# KiCad board sss-opr3-v1 (1).kicad_pcb (continued)
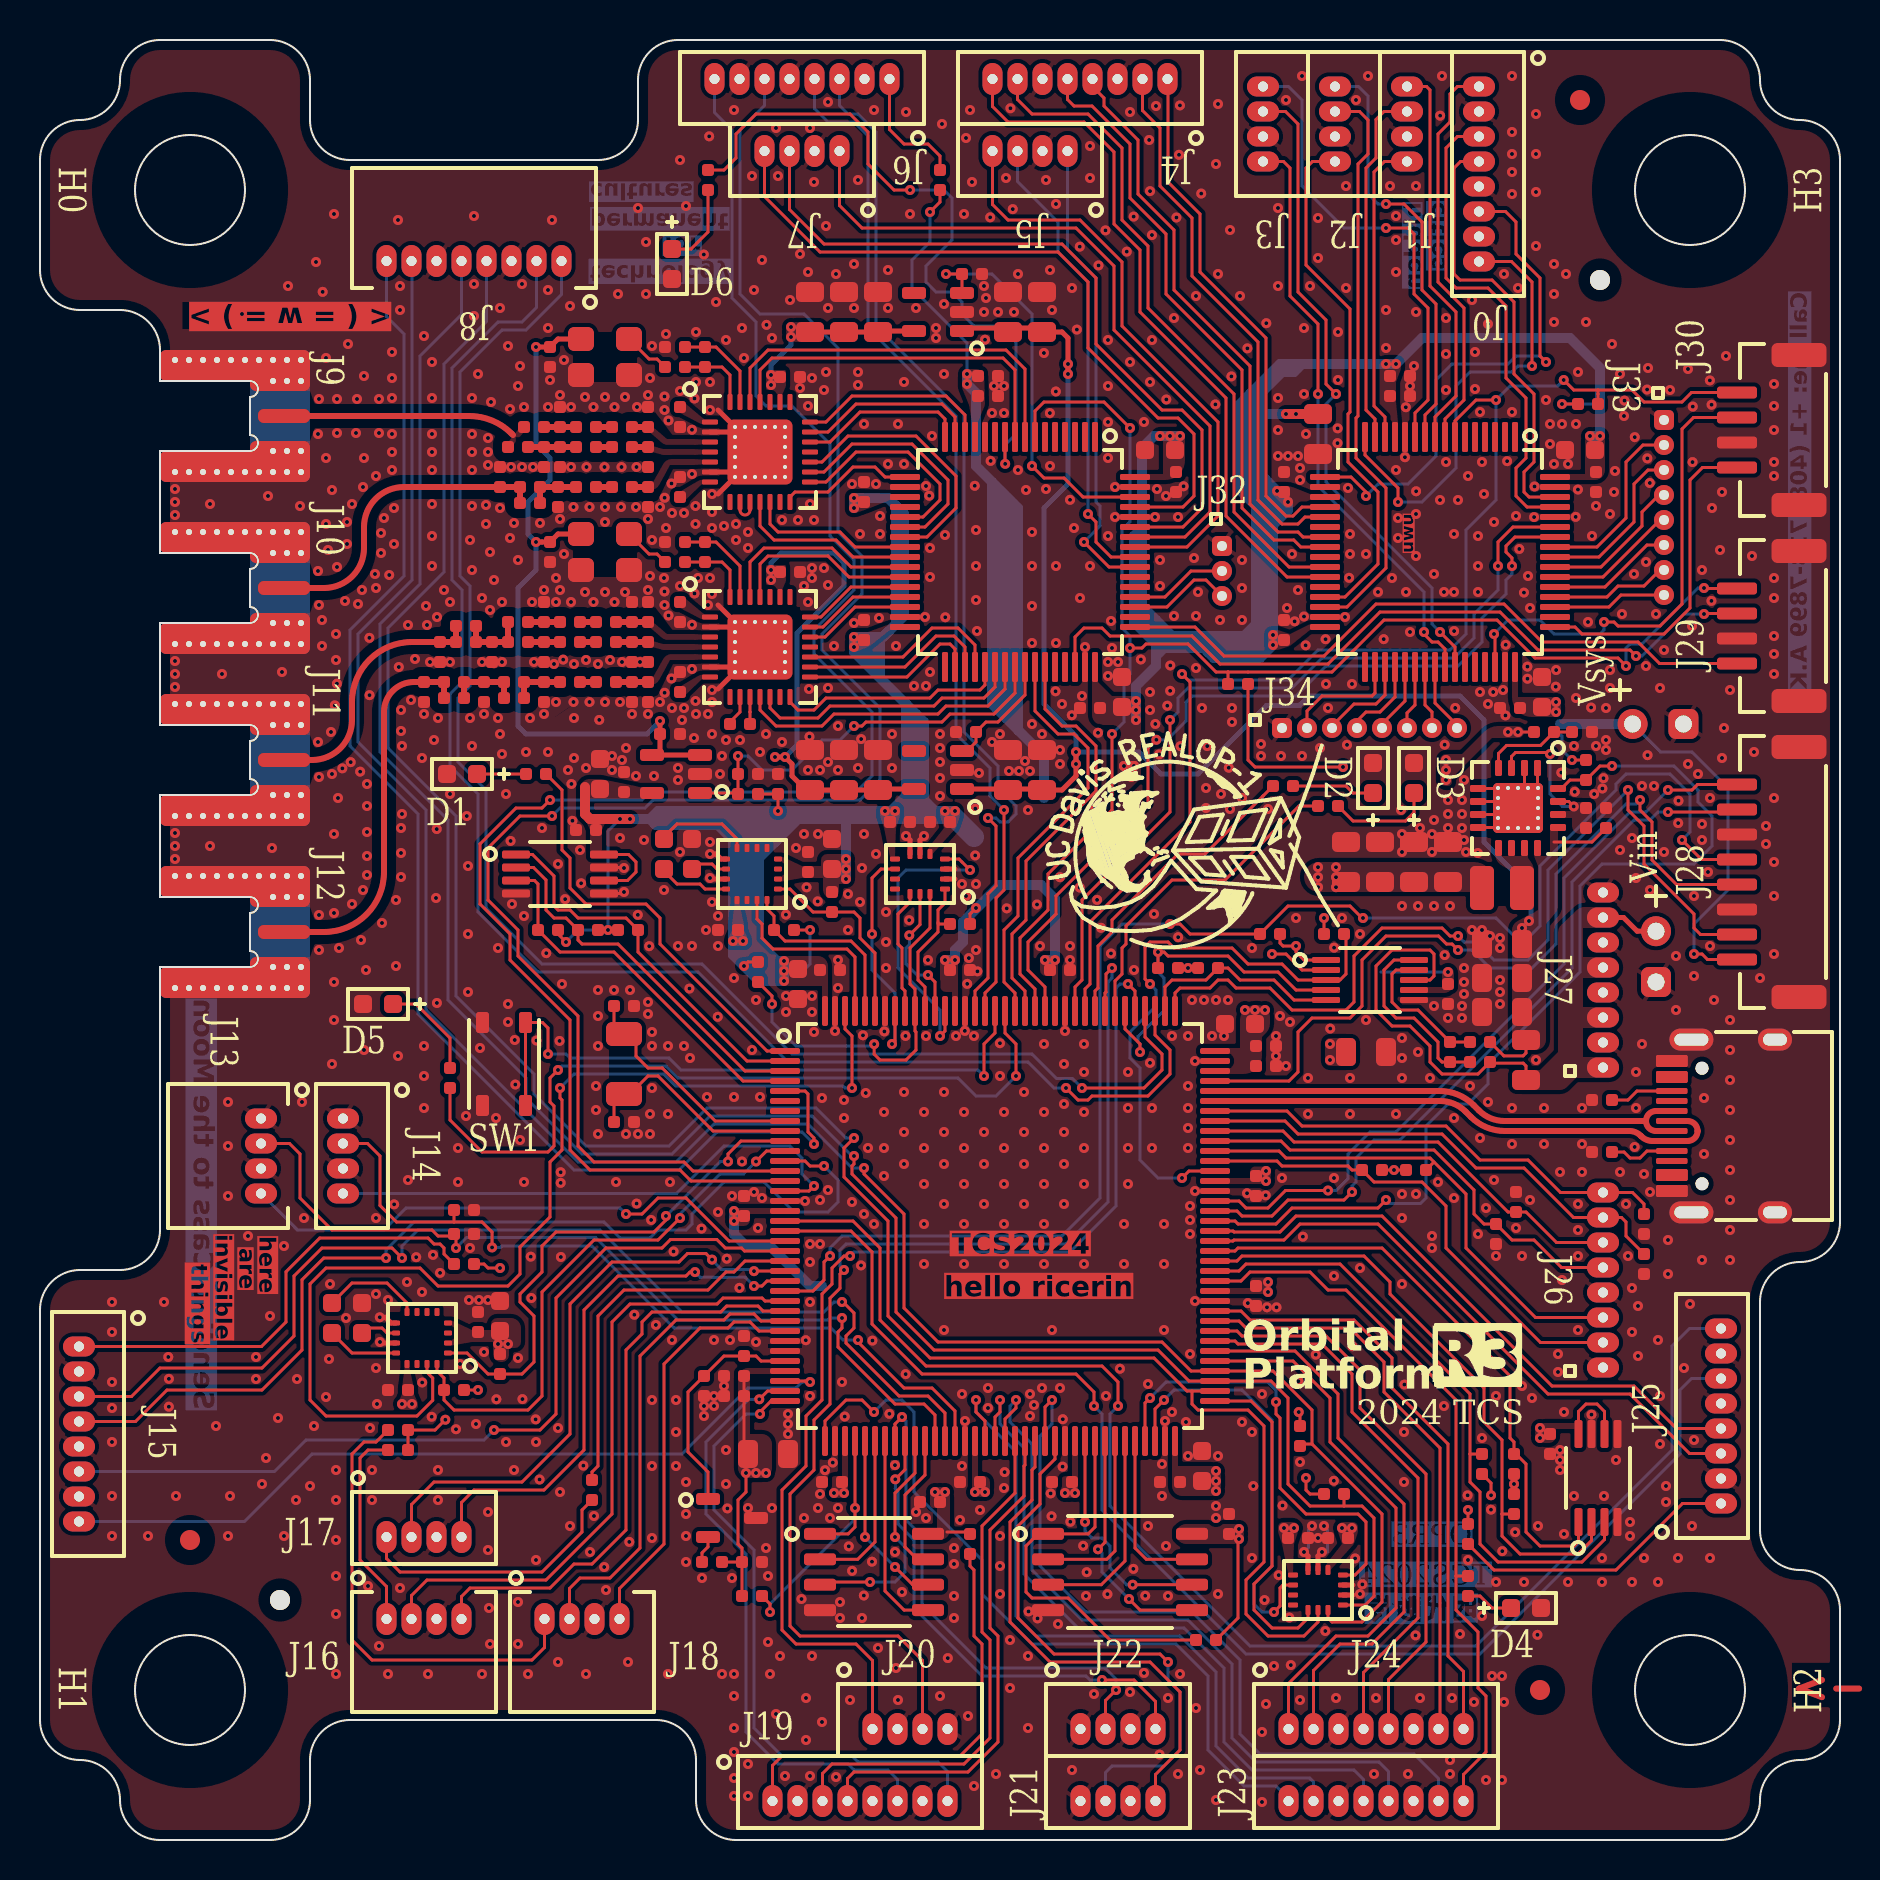
[diagram p0: board, top side]
## Routing (per net, layer and track width the routed paths; a pad name or vN(x,y) marks a point on that pad's centre or on a via; arc(x,y) is an arc through that point) (continued)
  Bottom w1: 36.6,50.1 37.6,51.1 ; 36.6,50.1 34.9,50.1 ; 36.6,50.1 35.7,49.2 35.7,44.9 ; 34.9,50.1 34.9,44.9 ; 34.9,50.1 34,51 ; 61.4,66.6 61.4,65 ; 30.9,51 34,51 ; 34,51 36.7,51 ; 60.5,71.7 60.5,68 61.8,66.7 ; 43.7,55.75 43.7,52.05 ; 48.3,66.65 48.3,56.9 ; 45.66,51.19 46.7,50.15 ; 35.36,44.34 36.4,43.3
  vias: v1(18.1,21.8) v1(18.6,21.8) v1(22.9,24.8) v1(23.4,24.8) v1(34.7,30.95) v1(35.15,44.95) v1(35.8,18.35) v1(36.3,18.35) v1(39.7,17.35) v1(40.2,17.35) v1(40.3,49.05) v1(40.3,48.55) v1(40.7,59.65) v1(42.75,51.45) v1(44.75,17.4) v1(45.25,51.45) v1(45.25,17.4) v1(46.75,17.4) v1(47.25,17.4) v1(51.25,17.35) v1(51.75,17.35) v1(56.5,70.2) v1(57.4,43.6) v1(58.8,18.45) v1(58.8,17.95) v1(58.8,17.45) v1(59.95,15.55) v1(60.25,41.5) v1(60.75,41.5) v1(61.25,41.5) v1(61.3,33.45) v1(61.3,32.95) v1(61.4,27.9) v1(61.4,27.4) v1(61.65,60.25) v1(62.2,15.6) v1(62.7,15.6) v1(63.9,48.64) v1(63.9,48.14) v1(63.9,47.64) v1(64.5,39.8) v1(64.5,39) v1(64.8,48.64) v1(64.8,48.14) v1(64.8,47.64) v1(65.1,15.6) v1(65.6,15.6) v1(67.3,73.8) v1(67.7,33.5) v1(70.3,54) v1(70.3,53.5) v1(70.3,53) v1(73.4,55.4) v1(73.7,17.8) v1(75,20.6) v1(75,20.1) v1(75.8,56.9) v1(75.8,56.4)
/v3v3rad0: length 8.5
  Top w0.25: C37.1 C39.1 41.95,75.45 U6.5
  Bottom w0.25: v1(36.55,72.75) v1(36.55,73.25) 36.55,73.75 37.55,74.75 v1(37.55,75.15) v1(37.55,75.65)
/v3v3rad1: length 24.3
  Top w0.25: U17.5 41.95,52.55 C110.1 C108.1 38.3,52.5 37.6,53.2 37.6,53.8 v1(37.25,54.15) v1(36.75,54.15)
  Bottom w0.25: v1(36.55,63) v1(36.55,63.5) 36.55,63.85 37.05,64.35 39.7,64.35 40.2,63.85 40.2,62.7 37.85,60.35 37.85,54.75 v1(37.25,54.15) v1(36.75,54.15)
/vbat: length 76
  Top w0.15: R15.1 73.2,39.2 74.15,39.2 74.3,39.35 R14.2 ; R6.2 77.6,49.9 75.7,49.9
  Top w0.25: U6.1 46.25,75.6 49.9,75.6 C41.1 51.1,75.4 51.4,75.1 v1(51.4,73.3) ; v1(51.8,54.4) 51.8,53.2 51.1,52.5 C107.1 50.05,52.55 U17.1
  Bottom w0.25: v1(51.8,54.4) 54.95,54.4 56.05,53.3 57.9,53.3 61.33,56.73 62.98,56.73 63.45,57.2 71,57.2 72.2,56 72.2,49.9 74.55,47.55 74.55,46.05 v1(74.1,45.6) ; v1(51.8,53.8) 51.8,55.2 50.2,56.8 50.2,66.6 51.4,67.8 v1(51.4,73.8)
  vias: v1(74.45,45.95)
/vbat-con: length 21
  Top w0.15: U12.8 69.5,43 69.7,43.2 69.7,44.3 69.5,44.5 67.6,44.5 66.8,43.7 66.8,41.5 67.6,40.7 68.5,40.7 69.5,39.7 69.5,38.9 70.1,38.3 71.9,38.3 R28.1 72.56,38.84 74.16,38.84 74.3,38.7 R14.1
  Top w0.25: J37.2 79.86,45.44 79.17,46.12 J27.7
GND: length 29.7
  Top w0.15: U1.1 74.88,52.62 U1.0 ; 29.1,47.3 29.07,47.33 U19.5 ; U1.2 74.22,52.78 U1.0 ; U1.5 72.67,52.58 ; 29.1,48.6 29.07,48.62 U19.7 ; U1.7 72.67,51.28 72.7,51.3 ; U1.8 72.67,50.62 ; 71.9,51.92 72.67,51.92
  Top w0.25: v1(43.3,50.2) 43.5,50 U5.7 ; U8.9 17.55,25.85 17.26,26.14 v1(16.99,26.14) ; v1(63.2,14.4) 63.4,14.2 U3.7 ; U15.0 33.9,57.55 ; U5.2 45.75,48.05 ; v1(44.2,50.2) 44,50 U5.6 ; U3.2 65.65,12.25 ; U8.11 17.05,24.85 ; U15.0 33.9,61.75 ; U3.3 65.65,12.75 ; U10.0 33.9,67.3 ; U4.9 34.05,49.05 33.8,49.3 v1(33.5,49.3) ; v1(33.5,48.1) 33.55,48.05 U4.11 ; U3.6 63.9,14.2 v1(64.1,14.4) ; U15.2 34.45,60.65 ; U15.6 34.45,58.65 ; U10.0 33.9,71.5 ; U10.2 34.45,70.4 ; U10.6 34.45,68.4 ; U5.3 45.75,48.55
  Bottom w0.15: v1(63.6,15.7) 63.47,15.7 63.43,15.66 63.43,14.63 v1(63.2,14.4) ; v1(64.2,15.7) 64.31,15.7 64.37,15.64 64.37,14.4 v1(64.1,14.4) ; v1(60.39,26.84) 60.76,26.84 60.97,26.63 v1(61.83,26.63)
  vias: v1(3.6,26.9) v1(3.6,25.4) v1(3.6,22.9) v1(3.6,21.6) v1(3.6,19.9) v1(3.6,17.2) v1(3.6,15.2) v1(5.4,15.2) v1(6.2,26.9) v1(6.41,24.15) v1(6.45,23.06) v1(6.44,21.66) v1(6.75,67.55) v1(6.75,66.9) v1(6.75,66.25) v1(6.75,58.95) v1(6.75,58.3) v1(6.75,57.65) v1(6.75,50.35) v1(6.75,49.7) v1(6.75,49.05) v1(6.8,17.2) v1(8.5,66.8) v1(8.5,49.7) v1(8.8,20.7) v1(9.1,58.3) v1(9.4,36.9) v1(9.4,34.7) v1(9.4,32.2) v1(9.4,15.2) v1(9.5,17.2) v1(10.1,76.3) v1(10.4,30.2) v1(10.8,24.15) v1(10.8,23.05) v1(11.1,17.8) v1(11.3,19.1) v1(11.4,67.2) v1(11.5,26.2) v1(11.6,49.6) v1(11.9,21.1) v1(12.1,58.4) v1(12.2,29.7) v1(12.2,15.2) v1(12.4,77.7) v1(12.85,23.05) v1(12.8,17) v1(13,66.7) v1(13.1,36.9) v1(13.2,31.1) v1(13.5,17.7) v1(13.7,20.7) v1(13.8,78.9) v1(13.95,72.05) v1(13.9,70.3) v1(13.9,63.45) v1(13.95,61.75) v1(13.9,54.9) v1(13.95,53.15) v1(13.95,46.25) v1(13.95,44.5) v1(14.13,77.41) v1(14.1,61) v1(14.1,59.7) v1(14.3,74.1) v1(14.3,69.1) v1(14.3,65.8) v1(14.3,22.15) v1(14.4,64.5) v1(14.45,24.05) v1(14.55,55.4) v1(14.5,27.8) v1(14.6,67.5) v1(14.6,53.3) v1(14.6,38.8) v1(14.7,81.3) v1(14.74,56.73) v1(14.7,50.3) v1(14.7,46.35) v1(14.7,42.9) v1(14.7,41) v1(14.85,72.05) v1(14.85,70.35) v1(14.85,63.65) v1(14.8,60.3) v1(14.8,59) v1(14.85,57.82) v1(14.8,18.5) v1(14.8,17) v1(14.8,15) v1(14.8,13.2) v1(14.8,11.3) v1(14.8,8.3) v1(14.9,52.1) v1(14.95,44.6) v1(15.12,53.58) v1(15.35,65.9) v1(15.35,64.8) v1(15.25,61.95) v1(15.3,26.1) v1(15.4,74.8) v1(15.54,53.89) v1(15.6,66.8) v1(15.6,46.8) v1(15.85,72.05) v1(15.8,70.35) v1(15.9,61.8) v1(16.01,53.42) v1(16.1,62.5) v1(16.05,45) v1(16.2,73.2) v1(16.2,69.1) v1(16.15,67.65) v1(16.15,47.5) v1(16.2,39.5) v1(16.35,52.8) v1(16.35,51.7) v1(16.35,50.4) v1(16.35,49.2) v1(16.35,48.25) v1(16.3,43.5) v1(16.4,12.7) v1(16.47,60.11) v1(16.48,57.24) v1(16.5,20.6) v1(16.6,18.5) v1(16.6,17) v1(16.8,68.2) v1(16.75,63.3) v1(16.8,62.6) v1(16.8,31.1) v1(16.8,27.3) v1(16.8,23.6) v1(16.85,21.8) v1(16.95,72.05) v1(16.95,70.35) v1(16.95,9.7) v1(17,24.9) v1(17.05,65.35) v1(17.05,64.35) v1(17.1,45.85) v1(17.2,66.1) v1(17.4,27) v1(17.4,8.3) v1(17.46,63.25) v1(17.6,74.4) v1(17.6,73.1) v1(17.6,72.1) v1(17.6,70.3) v1(17.6,69.4) v1(17.6,68.5) v1(17.7,66.6) v1(17.7,64.8) v1(17.71,31.78) v1(17.8,47) v1(17.8,43.7) v1(17.9,81) v1(17.94,58.65) v1(17.9,39.2) v1(18,77.7) v1(18,76.5) v1(18,12.6) v1(18.05,56.5) v1(18.05,55.45) v1(18.1,54.7) v1(18.1,51.3) v1(18.05,50.6) v1(18.05,49.35) v1(18.05,48.15) v1(18.35,27.9) v1(18.4,60.75) v1(18.4,33) v1(18.55,57) v1(18.75,59.05) v1(18.81,29.14) v1(19.1,54.1) v1(19.1,27.4) v1(19.11,22.88) v1(19.2,75.2) v1(19.2,56.3) v1(19.2,39.7) v1(19.2,38.2) v1(19.2,36.6) v1(19.3,61.7) v1(19.35,60.75) v1(19.4,8.3) v1(19.5,58.9) v1(19.6,73.9) v1(19.6,72.1) v1(19.6,70.3) v1(19.6,69.4) v1(19.6,68.5) v1(19.6,66.8) v1(19.6,65.2) v1(19.6,63.7) v1(19.58,21.16) v1(19.7,55) v1(19.65,29.25) v1(19.85,61.15) v1(19.84,50.55) v1(19.8,47.1) v1(19.84,41.85) v1(19.9,56.1) v1(19.9,18.5) v1(19.9,17) v1(20,28.36) v1(20.2,62.5) v1(20.5,61.9) v1(20.5,58.9) v1(20.5,52.3) v1(20.8,20.54) v1(20.9,34.6) v1(20.9,32.9) v1(21,23.8) v1(21.34,51.2) v1(21.3,36.2) v1(21.4,48.7) v1(21.4,45.3) v1(21.4,42.4) v1(21.45,27) v1(21.5,65) v1(21.5,56.1) v1(21.5,29.6) v1(21.6,72.1) v1(21.6,70.3) v1(21.6,69.4) v1(21.6,68.5) v1(21.6,66.7) v1(21.6,63.5) v1(21.6,54.7) v1(21.7,81.2) v1(21.7,77.8) v1(21.7,76.2) v1(21.8,20.8) v1(21.9,73.3) v1(21.95,27) v1(22,39.6) v1(22.1,62.1) v1(22.1,58.9) v1(22.1,8.3) v1(22.2,56.3) v1(22.2,24.4) v1(22.3,66.75) v1(22.3,65.8) v1(22.4,70.1) v1(22.4,69.4) v1(22.4,68.75) v1(22.4,27) v1(22.4,16.4) v1(22.4,14.5) v1(22.45,11.6) v1(22.55,71.9) v1(22.5,64.4) v1(22.5,61.5) v1(22.5,9.8) v1(22.7,63) v1(22.8,36.1) v1(22.82,22.04) v1(22.9,56.1) v1(22.9,44.6) v1(23,76.6) v1(23,66.6) v1(23,55.3) v1(23.1,61.9) v1(23.1,58.9) v1(23.1,54.3) v1(23.3,52.3) v1(23.3,19.9) v1(23.4,74.7) v1(23.4,41.8) v1(23.4,40.9) v1(23.5,71.55) v1(23.55,68.65) v1(23.5,65.1) v1(23.53,49.95) v1(23.6,46.8) v1(23.7,65.85) v1(23.74,40) v1(23.7,18.5) v1(23.77,37.77) v1(23.9,72.7) v1(23.9,64) v1(23.9,24.1) v1(23.9,11.9) v1(23.9,9.8) v1(24,73.7) v1(24,35) v1(24.1,77.8) v1(24.1,68.65) v1(24.12,22.05) v1(24.2,71.65) v1(24.2,46.2) v1(24.2,32.9) v1(24.3,54.4) v1(24.4,8.3) v1(24.5,56.1) v1(24.54,29.17) v1(24.6,61.9) v1(24.57,27.1) v1(24.65,68.65) v1(24.7,58.9) v1(24.82,39.97) v1(24.78,21.03) v1(24.8,19.9) v1(24.8,14) v1(25,65.85) v1(24.98,18.03) v1(25.1,50.6) v1(25.2,62.5) v1(25.2,56.3) v1(25.31,44.34) v1(25.4,77.5) v1(25.4,75.6) v1(25.4,71.65) v1(25.4,54.4) v1(25.5,73) v1(25.6,81) v1(25.7,58.8) v1(25.8,63.1) v1(25.8,61.9) v1(25.8,56.9) v1(25.9,48.8) v1(25.9,20.6) v1(25.9,8.9) v1(26,72.25) v1(26,66.05) v1(26,62.5) v1(25.98,39.95) v1(26.03,33.39) v1(26.03,32.86) v1(26.04,29.15) v1(26,17.4) v1(26.1,42.8) v1(26.2,74) v1(26.2,64.3) v1(26.16,59.02) v1(26.26,47.04) v1(26.4,53.5) v1(26.5,76.7) v1(26.55,71.65) v1(26.55,68.65) v1(26.55,61.9) v1(26.5,15.7) v1(26.57,52.8) v1(26.62,50.96) v1(26.67,66.65) v1(26.7,58.8) v1(26.67,56.9) v1(26.7,56.1) v1(26.7,54.1) v1(27,49.5) v1(27.05,47.84) v1(27.17,18.72) v1(27.25,72.15) v1(27.32,68.65) v1(27.25,62.4) v1(27.3,59) v1(27.3,53.6) v1(27.3,8.3) v1(27.47,66.65) v1(27.47,56.9) v1(27.5,14.4) v1(27.67,71.65) v1(27.67,61.9) v1(27.7,16.2) v1(27.8,37.7) v1(27.8,36.5) v1(27.9,58.8) v1(27.9,42.5) v1(27.9,41.2) v1(27.9,39.7) v1(27.9,35.3) v1(27.96,56.01) v1(28.22,68.65) v1(28.21,13.65) v1(28.25,72.15) v1(28.25,66.65) v1(28.25,65.9) v1(28.25,62.4) v1(28.25,56.9) v1(28.3,12.5) v1(28.5,59) v1(28.6,54.2) v1(28.6,53.5) v1(28.72,71.65) v1(28.72,61.9) v1(28.7,42.5) v1(28.8,32.9) v1(28.9,77.3) v1(29,56.9) v1(29,50.1) v1(29.07,68.65) v1(29.05,66.65) v1(29.1,58.9) v1(29.1,54) v1(29.25,72.15) v1(29.25,62.4) v1(29.2,48.6) v1(29.2,47.4) v1(29.3,54.6) v1(29.3,35.3) v1(29.4,8.9) v1(29.5,42.5) v1(29.46,14.9) v1(29.6,56.3) v1(29.72,26.26) v1(29.82,68.65) v1(29.8,66.65) v1(29.8,53.2) v1(29.83,31.82) v1(29.9,81.6) v1(29.85,71.65) v1(29.89,46.26) v1(29.9,35.3) v1(30,58.9) v1(30.2,50) v1(30.3,79.9) v1(30.3,77.3) v1(30.4,72.25) v1(30.4,66.05) v1(30.4,62.5) v1(30.4,56.3) v1(30.4,41.9) v1(30.4,41.3) v1(30.5,73.1) v1(30.5,63.2) v1(30.46,44.69) v1(30.5,36.3) v1(30.5,35.3) v1(30.6,74.7) v1(30.6,65) v1(30.6,40.4) v1(30.6,39.7) v1(30.6,37.6) v1(30.56,31) v1(30.6,22) v1(30.6,18.7) v1(30.6,15.1) v1(30.7,53.2) v1(30.79,25.75) v1(31,66.65) v1(31,56.9) v1(31.22,72.17) v1(31.22,71.5) v1(31.23,67.11) v1(31.2,63.1) v1(31.22,62.42) v1(31.22,61.75) v1(31.23,57.36) v1(31.2,47.5) v1(31.3,75.3) v1(31.3,65.6) v1(31.42,70.98) v1(31.42,61.23) v1(31.4,39.7) v1(31.4,36.3) v1(31.4,8.3) v1(31.5,32.9) v1(31.57,67.83) v1(31.6,66.35) v1(31.57,58.08) v1(31.6,56.6) v1(31.6,25) v1(31.68,29.43) v1(31.8,22) v1(31.8,20.4) v1(31.8,18.7) v1(31.9,53.6) v1(31.9,53) v1(31.9,44.7) v1(32,84) v1(32,72.45) v1(32,62.7) v1(32,49.4) v1(32.1,56) v1(32.2,66.35) v1(32.2,56.6) v1(32.2,39.7) v1(32.3,81.7) v1(32.3,17.9) v1(32.3,16.3) v1(32.3,15.2) v1(32.3,13.9) v1(32.47,42.57) v1(32.5,39.1) v1(32.6,70.51) v1(32.6,68.3) v1(32.6,60.76) v1(32.6,58.55) v1(32.6,44.7) v1(32.72,72.08) v1(32.72,62.33) v1(32.7,55.1) v1(32.8,75.4) v1(32.8,72.9) v1(32.77,66.7) v1(32.77,65.8) v1(32.77,56.95) v1(32.8,56.3) v1(32.9,63.1) v1(33.08,30.57) v1(33.1,13.1) v1(33.19,79.28) v1(33.2,21.7) v1(33.2,21.2) v1(33.3,45.5) v1(33.4,61.75) v1(33.4,56.3) v1(33.35,37.15) v1(33.46,85.18) v1(33.5,72.9) v1(33.5,71.5) v1(33.5,63.1) v1(33.5,49.9) v1(33.6,67.3) v1(33.6,66.4) v1(33.6,65.6) v1(33.6,62.3) v1(33.6,57.5) v1(33.6,56.9) v1(33.6,55.3) v1(33.6,46.9) v1(33.7,25) v1(33.7,22.2) v1(33.7,21.7) v1(33.8,76.9) v1(33.9,46.2) v1(33.9,44.7) v1(33.89,41.16) v1(33.9,31.4) v1(34,53.3) v1(34.1,54.2) v1(34.1,8.3) v1(34.2,65.7) v1(34.2,22.7) v1(34.3,75) v1(34.3,55) v1(34.34,29.06) v1(34.3,19.5) v1(34.3,17.8) v1(34.37,16.58) v1(34.5,25) v1(34.6,32.2) v1(34.6,13.1) v1(34.7,86.5) v1(34.7,43.1) v1(34.7,37.15) v1(34.7,8.3) v1(34.7,7.2) v1(34.7,5.6) v1(34.7,4.4) v1(34.7,3.1) v1(34.7,2.2) v1(34.8,65.8) v1(34.8,65) v1(35,55) v1(34.97,27.61) v1(35.1,75.6) v1(35.1,33.92) v1(35.2,74.1) v1(35.4,65.4) v1(35.4,64.6) v1(35.4,16.6) v1(35.4,3.8) v1(35.4,2.2) v1(35.6,83.2) v1(35.6,39.5) v1(35.7,77.5) v1(35.7,32.4) v1(35.8,42) v1(35.8,24.9) v1(35.9,30.6) v1(36,54.4) v1(36,37.15) v1(36.1,79) v1(36.1,32.1) v1(36.33,75.76) v1(36.3,55.3) v1(36.3,14.6) v1(36.4,13.2) v1(36.4,9.9) v1(36.5,8.3) v1(36.6,75.1) v1(36.6,16.6) v1(36.8,85.6) v1(36.8,6.3) v1(36.9,83.2) v1(37,9.2) v1(37.1,66) v1(37.1,54.9) v1(37.25,3.2) v1(37.3,46.27) v1(37.3,42.2) v1(37.3,41.4) v1(37.4,21.3) v1(37.4,20.8) v1(37.4,20.3) v1(37.5,77) v1(37.8,49.6) v1(37.9,66) v1(38,79.3) v1(38,72.6) v1(38.07,12.05) v1(38.2,62.7) v1(38.2,50.3) v1(38.25,31.95) v1(38.2,16.1) v1(38.33,47.63) v1(38.29,24.99) v1(38.3,7.1) v1(38.3,5) v1(38.4,78.4) v1(38.4,71.7) v1(38.4,61.9) v1(38.45,57.55) v1(38.4,53.5) v1(38.5,85.6) v1(38.5,66.8) v1(38.47,55.17) v1(38.5,29.8) v1(38.5,28.9) v1(38.5,26.9) v1(38.5,22.2) v1(38.5,3.2) v1(38.6,73.1) v1(38.6,63.6) v1(38.6,63.1) v1(38.6,42.2) v1(38.6,41.4) v1(38.6,9.2) v1(38.7,82.9) v1(38.7,66) v1(38.7,40.4) v1(38.9,50.3) v1(38.89,46.93) v1(38.9,16.6) v1(39,53.5) v1(39,32) v1(39,29.8) v1(39,17.3) v1(39.1,37.1) v1(39.1,5.9) v1(39.2,72.5) v1(39.2,63.6) v1(39.3,80.7) v1(39.3,73.4) v1(39.25,18.49) v1(39.4,86.9) v1(39.4,76.6) v1(39.4,62.75) v1(39.4,57.6) v1(39.4,53.9) v1(39.4,32.5) v1(39.5,16.1) v1(39.64,18.87) v1(39.7,59.7) v1(39.75,40.45) v1(39.8,78.3) v1(39.8,3.15) v1(39.9,55.7) v1(39.9,53.5) v1(39.9,44) v1(39.9,42.6) v1(39.9,16.6) v1(40,11.9) v1(40,11.1) v1(40.1,22.9) v1(40.2,37) v1(40.2,36.1) v1(40.24,21.17) v1(40.4,47.3) v1(40.4,45.5) v1(40.44,14.68) v1(40.5,7) v1(40.6,67.8) v1(40.6,31.9) v1(40.6,13.46) v1(40.7,78.8) v1(40.7,76.6) v1(40.7,60.85) v1(40.9,83) v1(40.9,73.4) v1(40.9,72.75) v1(40.9,53.6) v1(41,65.3) v1(41,46.9) v1(41.06,55.05) v1(41.1,48.6) v1(41.15,40.23) v1(41.05,28.73) v1(41.1,11.1) v1(41.2,70.8) v1(41.2,50.3) v1(41.2,31.3) v1(41.19,12.22) v1(41.29,37.35) v1(41.4,34.6) v1(41.62,24.97) v1(41.6,13.92) v1(41.7,86.5) v1(41.7,30.8) v1(41.8,67.8) v1(41.8,49.3) v1(41.95,61.1) v1(41.9,9.6) v1(42,66.2) v1(42,65.3) v1(42.22,40.43) v1(42.2,36.4) v1(42.2,34.6) v1(42.2,33.2) v1(42.3,46.4) v1(42.3,44.9) v1(42.3,43.6) v1(42.4,78.5) v1(42.4,76.6) v1(42.4,68.8) v1(42.47,21.31) v1(42.6,55.3) v1(42.6,53.6) v1(42.75,18.74) v1(42.75,14.4) v1(42.8,59.7) v1(42.8,8.6) v1(42.9,70.8) v1(42.9,7) v1(43.1,12.4) v1(43.2,72.9) v1(43.2,68.8) v1(43.2,37.4) v1(43.2,35.4) v1(43.2,33.8) v1(43.3,86.4) v1(43.28,40.2) v1(43.28,23.29) v1(43.5,81.3) v1(43.46,45.99) v1(43.7,57.7) v1(43.8,76.6) v1(43.8,16.4) v1(44.25,61.15) v1(44.2,36.4) v1(44.2,34.6) v1(44.2,32.8) v1(44.2,30.8) v1(44.2,28.8) v1(44.3,67.7) v1(44.3,57.7) v1(44.3,40.2) v1(44.3,16.1) v1(44.4,44) v1(44.46,67.21) v1(44.5,64.6) v1(44.5,63.15) v1(44.5,58.4) v1(44.6,70.2) v1(44.8,75.6) v1(44.8,75.1) v1(45,55.3) v1(45,54.6) v1(45,53.9) v1(45,53.1) v1(45,52.2) v1(45,7.2) v1(45.1,85.8) v1(45.2,76.8) v1(45.2,73.3) v1(45.25,65.25) v1(45.2,37.4) v1(45.2,35.4) v1(45.2,33.8) v1(45.2,31.8) v1(45.2,25.5) v1(45.26,61.14) v1(45.39,9.1) v1(45.7,14.6) v1(45.7,13.8) v1(45.7,12.2) v1(45.7,11.1) v1(45.8,40.2) v1(46,16) v1(46.1,47.8) v1(46.1,22.3) v1(46.1,18.7) v1(46.2,81.3) v1(46.24,40.46) v1(46.2,36.4) v1(46.2,34.6) v1(46.2,32.8) v1(46.2,30.8) v1(46.2,28.8) v1(46.25,20.95) v1(46.3,85.1) v1(46.3,47.2) v1(46.44,44.1) v1(46.36,42.81) v1(46.4,6.2) v1(46.5,86.5) v1(46.6,82.9) v1(46.74,67.71) v1(46.7,40.2) v1(46.7,2.7) v1(46.8,65.5) v1(46.8,63.7) v1(46.8,62) v1(46.77,51.57) v1(46.76,49.23) v1(46.8,47.8) v1(46.8,44.5) v1(46.85,60.45) v1(46.87,43.43) v1(46.95,53.35) v1(47,16.5) v1(47.2,77.7) v1(47.2,76.4) v1(47.2,35.4) v1(47.2,33.8) v1(47.2,31.8) v1(47.3,77.1) v1(47.25,75.02) v1(47.4,22.6) v1(47.4,21.6) v1(47.51,81.13) v1(47.53,68.95) v1(47.6,71.35) v1(47.6,54.9) v1(47.7,72.7) v1(47.8,3.3) v1(47.9,76.4) v1(48,55.3) v1(48,39.84) v1(48,38.2) v1(48,15.2) v1(48,13.7) v1(48,12.3) v1(48.2,72.7) v1(48.2,71.35) v1(48.2,36.4) v1(48.2,34.6) v1(48.2,32.8) v1(48.2,30.8) v1(48.2,28.8) v1(48.23,18.4) v1(48.2,17.6) v1(48.3,83.1) v1(48.34,46.58) v1(48.52,86.59) v1(48.45,53.45) v1(48.5,10) v1(48.5,7.6) v1(48.64,81.54) v1(48.7,76.4) v1(48.9,78.3) v1(48.9,68.5) v1(48.95,53.45) v1(49.25,53.95) v1(49.2,37.4) v1(49.2,35.4) v1(49.2,33.8) v1(49.2,31.8) v1(49.3,67.5) v1(49.4,51.5) v1(49.43,11.43) v1(49.4,9.2) v1(49.4,5.6) v1(49.5,53.45) v1(49.5,22.3) v1(49.5,21.2) v1(49.6,65.4) v1(49.6,63.7) v1(49.6,61.7) v1(49.6,59.85) v1(49.6,55.8) v1(49.7,21.75) v1(49.85,46.77) v1(49.88,11.08) v1(50,44.7) v1(50.1,55.3) v1(50.1,22.6) v1(50.2,74.35) v1(50.2,39.8) v1(50.2,36.4) v1(50.2,34.6) v1(50.2,32.8) v1(50.2,30.8) v1(50.2,28.8) v1(50.3,83) v1(50.3,67.55) v1(50.5,78.5) v1(50.49,71.35) v1(50.5,68.7) v1(50.53,17.33) v1(50.6,76.5) v1(50.6,25.5) v1(50.58,16.19) v1(50.8,81.8) v1(50.79,72.43) v1(50.8,63.7) v1(50.8,59.85) v1(50.78,57.44) v1(50.9,10.8) v1(51,54.5) v1(51,53.8) v1(51,48.14) v1(51,22.6) v1(51.1,56.8) v1(51.14,21.04) v1(51.13,18.67) v1(51.25,40.45) v1(51.2,38.8) v1(51.2,36.8) v1(51.2,35.4) v1(51.2,33.8) v1(51.2,31.8) v1(51.5,67.01) v1(51.5,44.7) v1(51.5,44) v1(51.52,15.91) v1(51.6,77.6) v1(51.59,56.24) v1(51.6,3.5) v1(51.7,65.6) v1(51.84,75.52) v1(51.99,79.67) v1(52,62.1) v1(51.99,47.62) v1(52.1,57.2) v1(52.25,59.65) v1(52.2,39.8) v1(52.2,38.4) v1(52.2,36.4) v1(52.2,34.6) v1(52.2,32.8) v1(52.2,28.8) v1(52.16,14.71) v1(52.33,13.39) v1(52.3,12.2) v1(52.5,84.7) v1(52.5,83.1) v1(52.5,63.7) v1(52.7,7.3) v1(52.75,51.6) v1(52.93,78.73) v1(52.9,55.36) v1(52.85,47.01) v1(53.02,50.16) v1(53.05,45.61) v1(53.28,80.48) v1(53.3,22.2) v1(53.4,75) v1(53.4,72.7) v1(53.4,70.9) v1(53.4,69.1) v1(53.4,65.2) v1(53.4,58.9) v1(53.4,58.2) v1(53.37,12.29) v1(53.55,60.95) v1(53.55,44.33) v1(53.6,59.6) v1(53.75,67.65) v1(53.75,66.15) v1(53.9,58.9) v1(54,23.56) v1(54.2,30.8) v1(54.2,28.8) v1(54.34,79.42) v1(54.4,38.4) v1(54.4,36.6) v1(54.4,34.6) v1(54.4,32.8) v1(54.5,86.4) v1(54.5,73.9) v1(54.5,7.4) v1(54.68,81.17) v1(54.7,43.5) v1(54.67,13.56) v1(54.78,52.15) v1(55.04,59.03) v1(55.2,70.9) v1(55.2,8.35) v1(55.26,12.21) v1(55.4,22.8) v1(55.4,15.7) v1(55.46,85) v1(55.5,82.44) v1(55.5,72.9) v1(55.5,57.4) v1(55.5,56.5) v1(55.5,38.86) v1(55.6,80.25) v1(55.6,75) v1(55.6,36.6) v1(55.6,34.6) v1(55.7,46.3) v1(55.8,86.7) v1(55.85,67.55) v1(55.75,66.15) v1(55.77,55.8) v1(56,64) v1(56,62.7) v1(55.96,54.28) v1(55.98,4.27) v1(56.1,18.8) v1(56.1,17.2) v1(56.2,30.8) v1(56.2,28.8) v1(56.2,25.5) v1(56.32,72.03) v1(56.3,67.2) v1(56.25,20.95) v1(56.3,14.7) v1(56.36,56.71) v1(56.4,12.2) v1(56.4,7.1) v1(56.51,58.73) v1(56.51,57.46) v1(56.6,40.2) v1(56.6,21.4) v1(56.7,76.1) v1(56.7,61.2) v1(56.82,81.12) v1(56.95,84.26) v1(56.9,66.15) v1(56.91,45.14) v1(56.9,3.3) v1(57,86.73) v1(57.02,54.69) v1(57,8.3) v1(57.18,67.69) v1(57.3,20.9) v1(57.4,40.2) v1(57.4,37.7) v1(57.4,36.6) v1(57.4,35.6) v1(57.4,34.6) v1(57.4,19.2) v1(57.5,31.7) v1(57.5,31) v1(57.5,30.3) v1(57.5,24.3) v1(57.6,42) v1(57.7,64.1) v1(57.8,77.2) v1(57.8,61.2) v1(57.8,58.6) v1(57.75,38.95) v1(57.75,32.45) v1(57.75,26.95) v1(57.8,6.6) v1(57.9,62.4) v1(58,3.5) v1(58.06,82.32) v1(58.1,56.6) v1(58.2,42) v1(58.3,52.6) v1(58.3,51.6) v1(58.36,54.7) v1(58.6,40.2) v1(58.8,83.8) v1(58.77,71.78) v1(58.8,42) v1(58.8,16.7) v1(58.8,16.1) v1(58.8,2) v1(58.9,86.8) v1(58.9,78.3) v1(58.9,19.2) v1(58.9,12.3) v1(59,61) v1(59.05,52.3) v1(59.2,40.2) v1(59.44,53.61) v1(59.4,42) v1(59.5,80.5) v1(59.5,51.55) v1(59.57,73.18) v1(59.6,56.6) v1(59.6,55.9) v1(60,77.2) v1(60.1,64) v1(60.1,62.6) v1(60.1,61) v1(60.1,52.1) v1(60.1,20.9) v1(60.37,74.58) v1(60.35,32.34) v1(60.6,44.6) v1(60.6,20.4) v1(60.6,14.1) v1(60.67,17.7) v1(61.05,54.8) v1(61.05,54.2) v1(61.1,22.3) v1(61.1,5.4) v1(61.1,1.9) v1(61.23,12) v1(61.31,75.84) v1(61.29,32.23) v1(61.35,26.64) v1(61.3,6.8) v1(61.4,51.55) v1(61.7,8.7) v1(61.8,40.2) v1(61.8,39.2) v1(61.9,81.6) v1(61.9,77.7) v1(61.9,72.1) v1(61.9,70.5) v1(61.9,69.2) v1(61.93,13.24) v1(62,41.2) v1(62.05,54.2) v1(62.1,33.1) v1(62.13,16.72) v1(62.3,87) v1(62.35,61.6) v1(62.3,38.7) v1(62.4,69.2) v1(62.5,40.9) v1(62.47,11.12) v1(62.54,8.75) v1(62.6,64.3) v1(62.73,60.93) v1(62.8,46.1) v1(62.9,69.2) v1(62.9,62.5) v1(62.92,22.94) v1(63,68.6) v1(63,68) v1(63,18.9) v1(63,7) v1(63.1,88.2) v1(63.1,54.2) v1(63.14,30.17) v1(63.2,75.6) v1(63.2,72.3) v1(63.2,61.17) v1(63.3,70.3) v1(63.28,59.73) v1(63.4,38.1) v1(63.4,36.3) v1(63.5,77.7) v1(63.79,24.27) v1(63.9,81.1) v1(63.9,79.1) v1(63.9,15.1) v1(64,54.6) v1(64.28,60.04) v1(64.3,57.8) v1(64.26,10.45) v1(64.4,56.6) v1(64.51,40.57) v1(64.7,44.62) v1(64.7,33.1) v1(64.7,28.2) v1(64.69,17.96) v1(64.8,7.1) v1(64.9,75.4) v1(64.9,73) v1(64.88,70.58) v1(64.88,69.84) v1(65.1,46.1) v1(65.3,82.7) v1(65.3,77.6) v1(65.25,61.15) v1(65.4,67.6) v1(65.35,54.76) v1(65.5,65.3) v1(65.5,64.3) v1(65.46,63.11) v1(65.5,38.1) v1(65.5,36.3) v1(65.6,57.8) v1(65.62,24.69) v1(65.8,87) v1(65.76,14.08) v1(66,45.3) v1(66,28.6) v1(66,12.3) v1(66.12,12.78) v1(66.3,64.3) v1(66.3,41) v1(66.4,88.2) v1(66.7,3.3) v1(66.8,7.1) v1(66.9,62.4) v1(67.19,60.04) v1(67.3,76.5) v1(67.3,74.6) v1(67.5,82.7) v1(67.6,63.1) v1(67.8,81.2) v1(67.8,80) v1(67.8,78.4) v1(67.8,68.5) v1(67.8,36.3) v1(67.9,66.1) v1(67.9,65.1) v1(68.05,51.5) v1(68.1,50.3) v1(68.1,49.4) v1(68.1,46.7) v1(68.1,40.1) v1(68.1,39.1) v1(68.1,38.1) v1(68.1,32.3) v1(68.1,31.1) v1(68.1,27.8) v1(68.25,69.14) v1(68.22,22.77) v1(68.2,20.4) v1(68.2,17.9) v1(68.29,71.64) v1(68.3,62.4) v1(68.4,3.3) v1(68.5,72.7) v1(68.5,60.4) v1(68.7,73.7) v1(68.8,82.7) v1(68.8,76.4) v1(68.81,67.44) v1(68.8,66.3) v1(68.8,64.2) v1(68.8,32.3) v1(68.78,10.23) v1(68.9,46.7) v1(68.9,39.4) v1(69,50.6) v1(69,7.1) v1(69.5,38.1) v1(69.6,50.3) v1(69.6,49.4) v1(69.6,30.2) v1(69.6,29.6) v1(69.7,63.3) v1(69.7,51) v1(69.7,46.7) v1(69.7,41.7) v1(69.9,32.9) v1(70.01,86.22) v1(70,67) v1(70.1,88.2) v1(70.2,62.4) v1(70.23,54.76) v1(70.23,44.24) v1(70.2,21.7) v1(70.3,76.1) v1(70.3,74.3) v1(70.3,72.5) v1(70.3,68.9) v1(70.4,52) v1(70.4,51.3) v1(70.4,50.6) v1(70.4,41.1) v1(70.5,46.7) v1(70.5,4) v1(70.5,3.3) v1(70.6,7.1) v1(70.7,65.3) v1(70.7,62.4) v1(70.71,60.45) v1(70.7,36.1) v1(70.7,32.1) v1(70.76,56.6) v1(70.9,67) v1(71,10.3) v1(71.1,52) v1(71.1,51.3) v1(71.1,50.6) v1(71.1,41.7) v1(71.1,41.1) v1(71.2,53) v1(71.2,50) v1(71.2,43.6) v1(71.2,42.9) v1(71.2,42.3) v1(71.3,49.4) v1(71.4,68.2) v1(71.38,17.23) v1(71.4,14) v1(71.5,37.7) v1(71.6,77) v1(71.6,45.5) v1(71.75,74.4) v1(71.75,72.55) v1(71.7,6.9) v1(71.9,65.2) v1(71.9,63.7) v1(71.9,62.4) v1(71.89,49.35) v1(71.9,30.3) v1(72,71.4) v1(72,57.4) v1(72,35.1) v1(72.1,68.9) v1(72.1,45.5) v1(72.1,20.1) v1(72.1,11.2) v1(72.2,67.3) v1(72.3,31.6) v1(72.3,3) v1(72.4,75.8) v1(72.4,56.8) v1(72.4,36.9) v1(72.5,45.2) v1(72.55,16.52) v1(72.6,8.2) v1(72.7,65.9) v1(72.66,57.4) v1(72.7,33) v1(72.8,29.2) v1(72.8,22.2) v1(72.8,12.9) v1(73,45.1) v1(73,44.6) v1(73,43) v1(73,42.4) v1(73,41.8) v1(73.15,57.5) v1(73.11,14.44) v1(73.1,8.2) v1(73.1,3) v1(73.2,78.3) v1(73.2,6.9) v1(73.29,59.76) v1(73.27,56.23) v1(73.36,68.94) v1(73.6,88.2) v1(73.6,85.4) v1(73.6,84.3) v1(73.6,83.4) v1(73.6,82.3) v1(73.6,71.4) v1(73.6,36.6) v1(73.6,34.8) v1(73.8,66.2) v1(73.8,30.6) v1(73.75,15.39) v1(73.9,77.6) v1(73.96,64.55) v1(74.1,29.2) v1(74.1,22.7) v1(74.2,62.37) v1(74.2,12.9) v1(74.4,63.2) v1(74.37,58.67) v1(74.37,58.06) v1(74.5,61.6) v1(74.5,32) v1(74.6,22.1) v1(74.73,67.68) v1(74.7,66.15) v1(74.8,86.3) v1(74.8,84.3) v1(74.8,82.4) v1(74.8,79.7) v1(74.8,39) v1(74.9,15.7) v1(74.87,10.26) v1(75.2,36.6) v1(75.2,34.8) v1(75.3,72) v1(75.5,70.8) v1(75.5,69.8) v1(75.7,78.8) v1(75.7,77.3) v1(75.7,75.9) v1(75.7,68.8) v1(75.81,58.5) v1(75.79,57.67) v1(75.9,24.3) v1(75.9,23.4) v1(76,33.4) v1(76,19.5) v1(76,19) v1(76,18.5) v1(76.1,70.8) v1(76.06,53.37) v1(76.1,28) v1(76.2,21.4) v1(76.2,15.3) v1(76.3,78.3) v1(76.4,68.8) v1(76.4,12.9) v1(76.7,54.7) v1(76.74,52.41) v1(76.7,17.2) v1(76.8,70.8) v1(76.78,66.16) v1(76.8,57.1) v1(76.9,73.4) v1(76.9,67.52) v1(76.9,31.8) v1(76.9,30.5) v1(76.9,29.2) v1(76.9,25.5) v1(77.1,36.6) v1(77.1,34.8) v1(77.1,33.4) v1(77.3,75.9) v1(77.4,60.9) v1(77.6,65.2) v1(77.55,56.62) v1(77.57,21.27) v1(77.71,52.3) v1(77.8,66.7) v1(77.8,54.7) v1(78.12,52.57) v1(78.1,14.1) v1(78.1,12.9) v1(78.18,53.09) v1(78.2,17.2) v1(78.3,56.6) v1(78.3,55) v1(78.3,54.5) v1(78.5,66.3) v1(78.5,58.5) v1(78.5,57.6) v1(78.6,74.8) v1(78.75,68.45) v1(78.7,67.4) v1(78.8,19) v1(79,73.3) v1(79,49.5) v1(79,33.4) v1(79.1,61.3) v1(79.23,71.97) v1(79.2,71.2) v1(79.3,31.8) v1(79.4,29.2) v1(79.5,15.9) v1(79.5,15.2) v1(79.6,50.1) v1(79.6,27.6) v1(79.6,25.4) v1(79.6,12.9) v1(79.74,70.14) v1(79.7,63.3) v1(79.73,34.65) v1(79.8,48.1) v1(79.8,38.4) v1(79.8,36.6) v1(79.9,26.7) v1(79.9,24.2) v1(80.1,52.7) v1(80.1,39.8) v1(80.2,33.3) v1(80.2,14.1) v1(80.3,63.9) v1(80.3,58.7) v1(80.4,73.6) v1(80.35,72.52) v1(80.37,69.08) v1(80.38,54.24) v1(80.49,67.85) v1(80.5,47.5) v1(80.5,32.4) v1(80.7,52.7) v1(80.8,61.3) v1(80.9,25) v1(80.9,12.9) v1(81,57.6) v1(81,22.2) v1(81,19.8) v1(81.2,59.5) v1(81.2,49.4) v1(81.3,17.7) v1(81.3,16.9) v1(81.4,30) v1(81.4,28.3) v1(81.5,72.5) v1(81.8,44.2) v1(81.8,41.5) v1(81.92,51.96) v1(81.91,50.85) v1(81.9,14.1) v1(82.2,23.6) v1(82.4,73.55) v1(82.4,53.8) v1(82.5,26.8) v1(82.64,71.67) v1(82.63,68.9) v1(82.6,60.7) v1(82.6,15.7) v1(82.7,47.2) v1(82.7,43.2) v1(82.7,20) v1(82.9,53.3) v1(83.1,63.5) v1(83.1,50.8) v1(83.1,50) v1(83.1,29) v1(83.2,37.1) v1(83.2,34.3) v1(83.4,48.4) v1(83.49,72.98) v1(83.5,52.1) v1(83.5,44.7) v1(83.5,14.1) v1(83.58,71.76) v1(83.6,66.6) v1(83.57,61.96) v1(83.7,42) v1(84,64.5) v1(84.1,67.4) v1(84.1,54.1) v1(84.2,55.6) v1(84.3,74.2) v1(84.5,57.5) v1(84.5,41) v1(84.5,39.5) v1(84.5,38) v1(84.5,36.5) v1(84.5,35) v1(84.5,33.5) v1(84.5,32) v1(84.5,30.5) v1(84.5,29) v1(85.6,64.2) v1(85.7,54.4) v1(86,43.1) v1(86.3,50.7) v1(86.3,49.8) v1(86.7,72.8) v1(86.7,71.7) v1(86.7,70.5) v1(86.7,68.9) v1(86.7,68.2) v1(86.7,63.1) v1(86.7,62.1) v1(86.7,60.2) v1(86.7,59.3) v1(86.7,58.3) v1(86.7,52.1) v1(86.7,48.9) v1(86.7,47.2) v1(86.7,44.3)
